# KiCad board PSEC5_Ctrl_Board.kicad_pcb (continued)
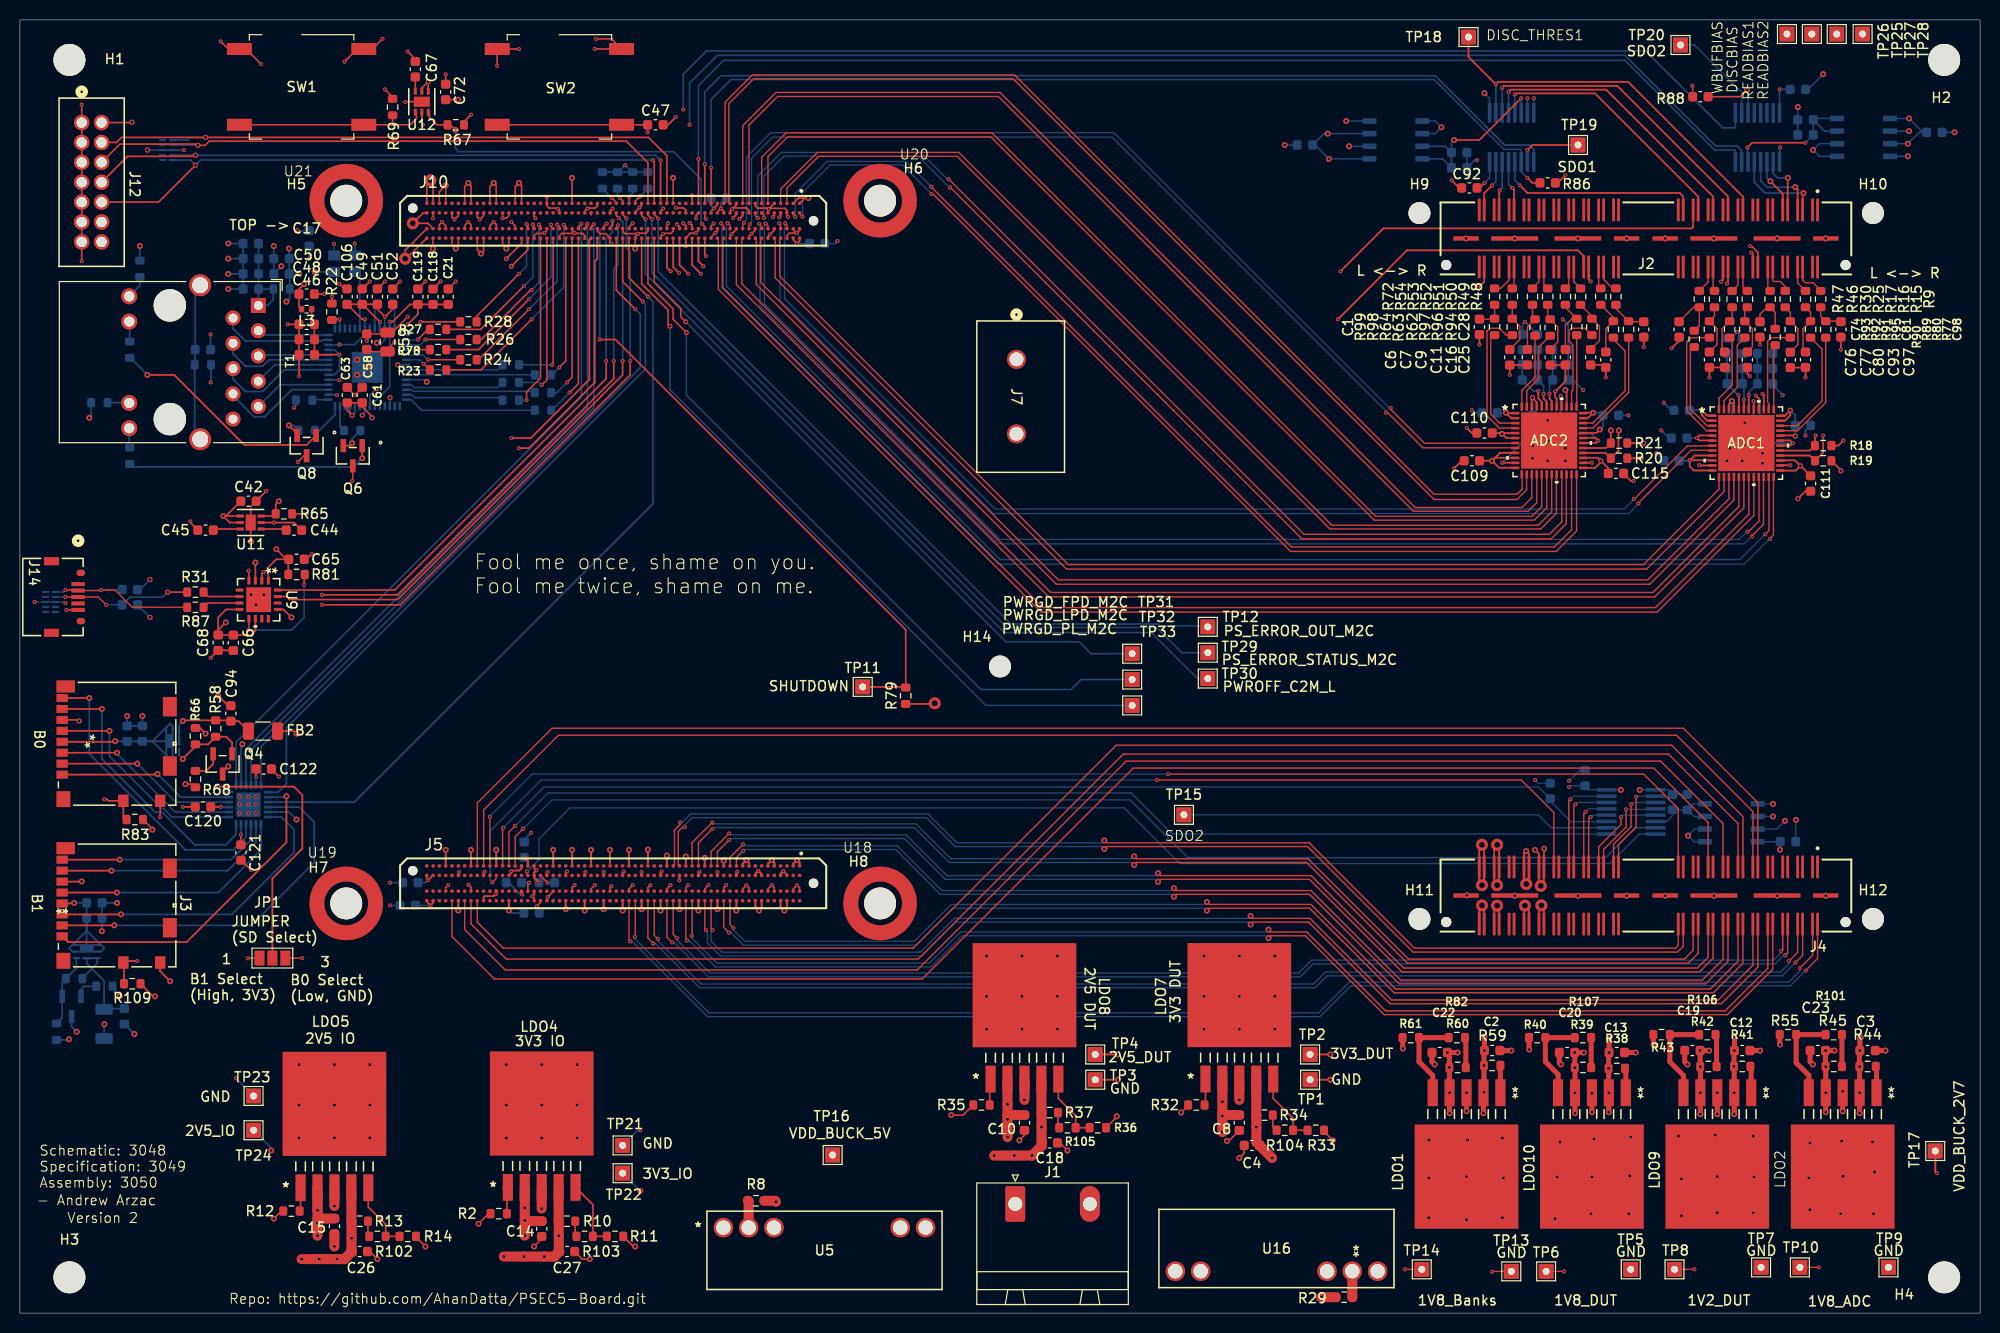
[diagram p0: board, top side]
## Routing (per net, layer and track width the routed paths; a pad name or vN(x,y) marks a point on that pad's centre or on a via; arc(x,y) is an arc through that point) (continued)
/SOM240_2(1.5)/CLR_DAC*_ped: length 118.1
  Top w0.13: J5.A48 48.51,48.73 v1(48.58,48.8)
  Bottom w0.13: v1(48.58,48.8) 52.67,52.9 152.61,52.9 R108.1 153.78,51.49 155.86,49.41 159.43,49.41 U15.11 159.38,49.37
/SOM240_2(1.5)/CS/LD_DAC_ped*: length 122.7
  Top w0.13: v1(50.58,48.7) 49.78,47.9 J5.A46
  Bottom w0.13: v1(50.58,48.7) 53.47,51.6 111.57,51.6 117.38,45.8 159.35,45.8 162.36,48.8 U15.7
/SOM240_2(1.5)/SCK_DAC_ped: length 121.3
  Top w0.13: v1(50.96,44.39) 50.96,44.09 J5.B44
  Bottom w0.13: v1(50.96,44.39) 52.17,45.61 52.17,47.7 55.28,50.8 110.97,50.8 116.57,45.2 159.77,45.2 162.74,48.16 U15.8
/SOM240_2(1.5)/SDI_DAC_ped: length 117
  Top w0.13: v1(49.78,49) 49.14,48.36 J5.A47
  Bottom w0.13: v1(49.78,49) 53.08,52.3 111.68,52.3 115.81,48.16 U15.9
ADC_CNV: length 147.1
  Top w0.13: J4.31 169.65,49.32 164.18,54.8 111.88,54.8 90.68,33.6 47.67,33.6 43.43,37.85 J5.D56
ADC_SCLK: length 146.9
  Top w0.13: J5.D53 45.33,39.14 48.88,35.6 90.28,35.6 110.88,56.2 165.68,56.2 172.65,49.22 J4.23
ADC_SDI: length 146.9
  Top w0.13: J4.21 173.15,49.92 165.97,57.1 110.18,57.1 89.78,36.7 48.58,36.7 45.97,39.31 J5.D52
ADC_SDO: length 146.7
  Top w0.13: J5.D54 44.7,38.58 48.78,34.5 90.18,34.5 111.18,55.5 164.88,55.5 171.15,49.22 J4.27
DAC_SCLK: length 145
  Top w0.13: J4.19 174.15,50.42 166.47,58.1 54.12,58.1 46.6,50.58 J5.A51
DAC_V_IN: length 133.5
  Top w0.13: J4.39 166.65,50.72 163.18,54.2 v1(115.38,54.2) ; v1(47.24,49.9) J5.A50
  Bottom w0.13: v1(115.38,54.2) 51.47,54.2 47.24,49.96 v1(47.24,49.9)
Disc_Thresh1: length 39.8
  Top w0.171: TP18.1 145.57,126.29 v1(148.32,123.54) 148.58,123.79 161.62,123.79 173.15,112.26 J2.21
  Bottom w0.171: v1(148.32,123.54) U2.2
Disc_Thresh2: length 31.2
  Top w0.171: J2.25 171.65,112.26 160.53,123.38 149.15,123.38 v1(148.96,123.19)
  Bottom w0.171: U2.3 v1(148.96,123.19)
Disc_Thresh3: length 28.6
  Top w0.171: J2.29 170.15,112.26 159.4,123.01 149.82,123.01 v1(149.59,122.78)
  Bottom w0.171: v1(149.59,122.78) U2.4
Disc_Thresh4: length 26
  Top w0.171: J2.33 168.65,112.26 158.28,122.63 150.33,122.63 v1(150.23,122.52)
  Bottom w0.171: U2.5 v1(150.23,122.52)
Disc_Thresh5: length 20.8
  Top w0.171: J2.37 167.15,112.26 166.79,112.62 151.5,112.62 v1(150.74,113.38)
  Bottom w0.171: U2.12 150.23,113.89 v1(150.74,113.38)
Disc_Thresh6: length 5.1
  Top w0.171: v1(149.97,113.13) 150.15,112.95 J2.69
  Bottom w0.171: v1(149.97,113.13) 149.59,113.51 U2.13
Disc_Thresh7: length 5
  Top w0.171: J2.73 148.65,112.82 v1(148.7,112.87)
  Bottom w0.171: U2.14 148.96,113.13 v1(148.7,112.87)
Disc_Thresh8: length 5.3
  Top w0.171: J2.77 147.15,112.59 v1(147.94,113.38)
  Bottom w0.171: v1(147.94,113.38) 148.32,113.76 U2.15
DISCBIAS: length 21.5
  Top w0.171: v2(177.66,114.14) 177.65,114.13 J2.09
  In2.Cu w0.171: TP25.1 180.07,125.7 177.66,123.28 v2(177.66,114.14)
  Bottom w0.171: v2(177.66,114.14) 176.64,114.14 176.2,114.58 U4.2
HPB00_CC_N: length 124.8
  Top w0.13: J4.08 178.65,36.27 v1(177.78,35.4) ; J5.D24 63.75,37.99 v1(64.1,37.63)
  Bottom w0.13: v1(177.78,35.4) 177.78,35.13 176.93,34.29 131.2,34.29 130,33.09 68.45,33.09 64.1,37.44 v1(64.1,37.63)
HPB00_CC_P: length 126.4
  Top w0.13: J4.06 179.15,35.97 v1(178.43,35.24) ; J5.D25 63.11,37.7 v1(63.65,37.17)
  Bottom w0.13: v1(178.43,35.24) 177.09,33.91 131.35,33.91 130.15,32.71 68.3,32.71 63.84,37.17 v1(63.65,37.17)
HPB01_N: length 131
  Top w0.13: v1(61.8,37.83) 61.84,37.86 J5.D27 ; v1(178.88,34.7) 180.15,35.97 J4.04
  Bottom w0.13: v1(178.88,34.7) 178.88,34.4 177.76,33.29 133.6,33.29 130.5,30.19 69.25,30.19 61.8,37.64 v1(61.8,37.83)
HPB01_P: length 132.5
  Top w0.13: J4.02 180.65,35.64 v1(179.44,34.43) ; v1(61.35,37.37) 61.21,37.51 J5.D28
  Bottom w0.13: v1(61.35,37.37) 61.54,37.37 69.1,29.81 130.65,29.81 133.75,32.91 177.92,32.91 v1(179.44,34.43)
HPB04_N: length 121.3
  Top w0.13: v1(68.95,38.5) 68.83,38.62 J5.D16 ; v2(123.68,39.07) 123.91,39.31 129.5,39.31 137.7,31.11 170.99,31.11 174.65,34.77 J4.18
  Bottom w0.13: v2(123.68,39.07) 123.44,39.31 94.05,39.31 90.65,35.91 70.4,35.91 69.09,37.22 69.09,38.36 v1(68.95,38.5)
HPB04_P: length 119.9
  Top w0.13: J5.D15 69.46,38.64 v1(69.6,38.5) ; v2(123.68,39.92) 123.91,39.69 129.65,39.69 137.85,31.49 170.66,31.49 174.15,34.97 J4.20
  Bottom w0.13: v2(123.68,39.92) 123.44,39.69 93.9,39.69 90.5,36.29 70.55,36.29 69.47,37.38 69.47,38.36 v1(69.6,38.5)
HPB17_N: length 125.5
  Top w0.13: J4.14 176.15,34.57 171.59,30.01 137.1,30.01 129.16,37.94 125.71,37.94 v2(125.47,37.7) ; v1(67.05,37.47) 66.92,37.59 J5.D19
  Bottom w0.13: v1(67.05,37.47) 67.24,37.47 69.9,34.81 91.55,34.81 94.69,37.94 125.24,37.94 v2(125.47,37.7)
HPB17_P: length 123.9
  Top w0.13: J5.D18 67.56,37.98 v1(67.5,37.93) ; J4.16 175.65,34.67 171.37,30.39 137.25,30.39 129.32,38.32 125.71,38.32 v2(125.47,38.55)
  Bottom w0.13: v2(125.47,38.55) 125.24,38.32 94.53,38.32 91.4,35.19 70.05,35.19 67.5,37.74 v1(67.5,37.93)
HPB_CLK0_N: length 120.2
  Top w0.13: J5.D21 65.65,38.08 v1(66,37.73) ; J4.12 177.15,36.57 v1(176.97,36.4)
  Bottom w0.13: v1(66,37.73) 66,37.54 69.35,34.19 128.5,34.19 129.8,35.49 176.22,35.49 176.97,36.24 v1(176.97,36.4)
HPB_CLK0_P: length 121.8
  Top w0.13: J5.D22 65.02,37.8 v1(65.55,37.27) ; v1(177.4,35.97) 177.65,36.22 J4.10
  Bottom w0.13: v1(65.55,37.27) 65.74,37.27 69.2,33.81 128.65,33.81 129.95,35.11 176.38,35.11 177.24,35.97 v1(177.4,35.97)
HPC00_CC_N: length 112
  Top w0.13: J5.A15 69.46,46.42 71.27,48.22 v1(71.28,48.22) ; v2(114.38,44.22) 114.61,43.99 129.75,43.99 139.04,34.7 168.57,34.7 169.65,35.77 J4.32
  Bottom w0.13: v1(71.28,48.22) 71.41,48.09 89.05,48.09 93.15,43.99 114.14,43.99 v2(114.38,44.22)
HPC00_CC_P: length 111.8
  Top w0.13: J4.30 170.15,35.67 168.78,34.3 138.91,34.3 129.6,43.61 114.61,43.61 v2(114.38,43.37) ; v1(71.28,47.57) 70.1,46.39 J5.A14
  Bottom w0.13: v2(114.38,43.37) 114.14,43.61 93,43.61 88.9,47.71 71.41,47.71 v1(71.28,47.57)
HPC01_N: length 111.4
  Top w0.13: v2(115.97,42.72) 116.21,42.49 129.75,42.49 138.75,33.49 169.06,33.49 171.15,35.57 J4.28 ; v1(72.68,47.12) 72.67,47.12 71.37,45.82 J5.A12
  Bottom w0.13: v1(72.68,47.12) 72.81,46.99 88.15,46.99 92.65,42.49 115.74,42.49 v2(115.97,42.72)
HPC01_P: length 111.3
  Top w0.13: v1(72.68,46.47) 72,45.8 J5.A11 ; v2(115.97,41.87) 116.21,42.11 129.6,42.11 138.6,33.11 169.38,33.11 171.65,35.37 J4.26
  Bottom w0.13: v2(115.97,41.87) 115.74,42.11 92.5,42.11 88,46.61 72.81,46.61 v1(72.68,46.47)
HPC02_N: length 112.7
  Top w0.13: v1(69.57,49.32) 69.57,49.32 67.56,47.31 J5.A18 ; v2(111.97,45.92) 112.21,45.69 129.45,45.69 139.54,35.6 167.28,35.6 168.15,36.47 J4.36
  Bottom w0.13: v1(69.57,49.32) 69.71,49.19 90.05,49.19 93.55,45.69 111.74,45.69 v2(111.97,45.92)
HPC02_P: length 112.6
  Top w0.13: v1(69.57,48.67) 68.19,47.29 J5.A17 ; J4.34 168.65,36.17 167.68,35.2 139.41,35.2 129.3,45.31 112.21,45.31 v2(111.97,45.07)
  Bottom w0.13: v1(69.57,48.67) 69.71,48.81 89.9,48.81 93.4,45.31 111.74,45.31 v2(111.97,45.07)
HPC04_N: length 113.4
  Top w0.13: v1(66.35,49.33) 66.35,49.14 65.78,48.57 65.78,45.09 J5.A21 ; J4.40 166.65,36.97 166.38,36.7 140.14,36.7 129.55,47.29 109.21,47.29 v2(108.97,47.52)
  Bottom w0.13: v2(108.97,47.52) 108.74,47.29 94.15,47.29 91.25,50.19 67.4,50.19 66.54,49.33 v1(66.35,49.33)
HPC04_P: length 113.5
  Top w0.13: v2(108.97,46.67) 109.21,46.91 129.4,46.91 140.01,36.3 166.57,36.3 167.15,36.87 J4.38 ; v1(66.8,48.87) 66.61,48.87 66.16,48.41 66.16,45.09 J5.A20
  Bottom w0.13: v1(66.8,48.87) 66.8,49.06 67.55,49.81 91.1,49.81 94,46.91 108.74,46.91 v2(108.97,46.67)
HPC09_N: length 114.6
  Top w0.13: J4.24 172.65,35.37 169.87,32.59 138.25,32.59 129.75,41.09 119.51,41.09 v2(119.28,41.32) ; J5.D12 71.37,39.07 v1(71.7,38.73)
  Bottom w0.13: v2(119.28,41.32) 119.04,41.09 93.6,41.09 89.91,37.4 72.84,37.4 71.7,38.54 v1(71.7,38.73)
HPC09_P: length 116.3
  Top w0.13: v1(71.25,38.27) 70.73,38.78 J5.D13 ; J4.22 173.15,35.17 170.19,32.21 138.1,32.21 129.6,40.71 119.51,40.71 v2(119.28,40.47)
  Bottom w0.13: v1(71.25,38.27) 71.44,38.27 72.71,37 90.04,37 93.75,40.71 119.04,40.71 v2(119.28,40.47)
OscClkOut: length 122
  Top w0.13: J5.B49 47.87,43.69 v1(47.47,43.3) ; v1(114.28,53.6) 150.88,53.6 154.15,50.32 J4.59
  Bottom w0.13: v1(114.28,53.6) 52.38,53.6 47.28,48.5 47.28,43.5 v1(47.47,43.3)
P5_ReadClk: length 104.1
  Top w0.171: J2.52 157.15,106.28 156.58,106.85 139.38,106.85 v1(132.45,99.92) ; v1(65.14,109.57) 65.02,109.45 J10.C22
  In2.Cu w0.171: v1(132.45,99.92) 69.53,99.92 64.88,104.56 64.88,108.05 65.14,108.3 v1(65.14,109.57)
P5_rst: length 111.7
  Top w0.171: v1(173.99,106.62) 174.15,106.46 J2.20 ; v1(68.69,105.25) 68.19,105.75 J10.D17
  In2.Cu w0.171: v1(68.69,105.25) 70.22,103.73 145.97,103.73 146.48,104.24 171.56,104.24 173.95,106.62 v1(173.99,106.62)
PICO: length 112.4
  Top w0.171: v1(170.95,103.7) 171.15,103.9 J2.28 ; J10.D21 65.65,105.17 v1(66.24,104.58)
  In2.Cu w0.171: v1(66.24,104.58) 69.63,101.19 168.43,101.19 v1(170.95,103.7)
POCI: length 114.4
  Top w0.171: v1(65.39,104.74) 65.02,105.12 J10.D22 ; J2.26 171.65,103.63 v1(171.55,103.52)
  In2.Cu w0.171: v1(65.39,104.74) 69.71,100.43 168.45,100.43 v1(171.55,103.52)
PS_POR: length 79.2
  Top w0.159: v2(26.02,81.63) 25.7,81.31 R65.2 25.48,80.13 24.28,80.13 ; J10.C15 69.46,109.3 v1(69.71,109.54)
  In7.Cu w0.159: v1(31.86,92.3) 26.02,86.46 v2(26.02,81.63) 52.82,81.63 69.41,98.22 69.41,109.25 v1(69.71,109.54)
  Bottom w0.159: U1.16 31.82,92.34 v1(31.86,92.3)
PS_SRST: length 36.6
  Top w0.159: J10.C16 68.83,109.23 v1(68.57,109.49) ; v2(43.77,118.96) 43.25,119.48 R67.2 41.9,119.48 41.15,120.22 41.15,120.71
  Bottom w0.159: v2(43.77,118.96) 43.77,117.1 44.09,116.77 65.68,116.77 68.44,114.01 68.44,109.61 v1(68.57,109.49)
Psec5RefClk: length 105.7
  Top w0.171: J10.D16 68.83,106.38 v1(68.93,106.27) ; v1(132.7,104.74) 137.02,109.06 168.01,109.06 168.15,109.2 J2.35
  In2.Cu w0.171: v1(68.93,106.27) 70.97,104.24 132.19,104.24 v1(132.7,104.74)
Psec5TriggerIn: length 87.2
  Top w0.171: J2.78 147.15,103.7 v1(146.53,103.08) ; J10.D20 66.29,105.37 v1(67.17,104.49)
  In2.Cu w0.171: v1(146.53,103.08) 145.4,101.95 69.71,101.95 v1(67.17,104.49)
Psec5TriggerOut: length 95.8
  Top w0.171: v1(157.85,103.73) 157.65,103.92 J2.50 ; J10.D18 67.56,105.37 v1(68.44,104.49)
  In2.Cu w0.171: v1(157.85,103.73) 146.49,103.73 145.73,102.97 69.96,102.97 v1(68.44,104.49)
READBIAS1: length 25.2
  Top w0.171: J2.07 178.65,112.97 v2(178.42,113.2)
  In2.Cu w0.171: TP27.1 182.57,117.36 v2(178.42,113.2)
  Bottom w0.171: v2(178.42,113.2) 175.55,113.2 174.93,113.82 U4.4
READBIAS2: length 27.6
  Top w0.171: v2(179.24,112.62) 179.15,112.53 J2.05
  In2.Cu w0.171: v2(179.24,112.62) 185.18,118.56 TP28.1
  Bottom w0.171: U4.5 174.29,113.7 175.37,112.62 v2(179.24,112.62)
SIGNAL1+: length 4
  Top w0.128: 180.6,102.77 R9.1 180.96,102.84 180.2,103.6 179.44,103.6 179.15,103.89 J2.06
SIGNAL1-: length 2.7
  Top w0.128: R15.1 178.65,103.56 J2.08
SIGNAL2+: length 3.3
  Top w0.128: J2.14 176.15,103.84 176.26,103.73 176.9,103.73 177.41,103.22 R16.1
SIGNAL2-: length 2.5
  Top w0.128: R17.1 175.65,103.01 J2.16
SIGNAL3+: length 2.6
  Top w0.128: R25.1 173.15,103.22 J2.22
SIGNAL3-: length 2.6
  Top w0.128: R30.1 172.65,103.35 J2.24
SIGNAL4+: length 2.5
  Top w0.128: J2.30 170.15,102.92 R46.1
SIGNAL4-: length 2.8
  Top w0.128: R47.1 169.65,103.66 J2.32
SIGNAL5+: length 2.9
  Top w0.128: R48.1 160.04,103.03 159.15,103.92 J2.46
SIGNAL5-: length 2.2
  Top w0.128: J2.48 158.65,103.24 R49.1
SIGNAL6+: length 2.4
  Top w0.128: J2.54 156.15,103.71 R50.1
SIGNAL6-: length 2.3
  Top w0.128: J2.56 155.65,103.37 R51.1
SIGNAL7+: length 2.3
  Top w0.128: J2.62 153.15,103.41 R52.1
SIGNAL7-: length 2.4
  Top w0.128: J2.64 152.65,103.67 R53.1
SIGNAL8+: length 2.2
  Top w0.128: R54.1 150.15,103.21 J2.70
SIGNAL8-: length 3.1
  Top w0.128: R72.1 148.81,103.03 149.65,103.87 J2.72
SPIclk: length 112.6
  Top w0.171: J10.C20 66.29,109.21 v1(66.03,109.47) ; J2.18 174.65,106.65 174.01,107.28 v1(173.85,107.28)
  In2.Cu w0.171: v1(173.85,107.28) 172.83,106.27 69.62,106.27 67.72,108.17 67.33,108.17 v1(66.03,109.47)
SYNC_N: length 147.7
  Top w0.13: J5.A52 45.97,51.29 53.47,58.8 167.18,58.8 174.65,51.32 J4.17
V_ped1: length 9.8
  Top w0.13: J4.41 160.65,47.09 162.42,48.86 v1(162.42,51.91)
  Bottom w0.13: v1(162.42,51.91) 162.48,51.97 U15.2
V_ped2: length 9.6
  Top w0.13: J4.43 160.15,47.14 161.91,48.9 v1(161.91,51.15)
  Bottom w0.13: v1(161.91,51.15) 162.1,51.34 U15.3
V_ped3: length 9.7
  Top w0.13: J4.45 159.15,46.61 161.4,48.86 v1(161.4,50.64)
  Bottom w0.13: U15.4 164.31,50.64 v1(161.4,50.64)
V_ped4: length 9.5
  Top w0.13: J4.47 158.65,46.87 160.9,49.12 v1(160.9,49.88)
  Bottom w0.13: U15.5 161.09,50.07 v1(160.9,49.88)
V_ped5: length 6.8
  Top w0.13: J4.49 157.65,49.68 v1(157.85,49.88)
  Bottom w0.13: U15.12 158.04,50.07 v1(157.85,49.88)
V_ped6: length 7.8
  Top w0.13: v1(157.34,50.39) 157.15,50.2 J4.51
  Bottom w0.13: U15.13 157.66,50.7 v1(157.34,50.39)
V_ped7: length 9.6
  Top w0.13: v1(156.32,51.15) 156.15,50.98 J4.53
  Bottom w0.13: U15.14 156.51,51.34 v1(156.32,51.15)
V_ped8: length 10.6
  Top w0.13: v1(155.81,51.66) 155.65,51.49 J4.55
  Bottom w0.13: U15.15 156.13,51.97 v1(155.81,51.66)
WBUFBIAS: length 21
  Top w0.171: v2(175.91,113.79) 177.15,112.55 J2.11
  In2.Cu w0.171: v2(175.91,113.79) 175.91,126.94 TP26.1
  Bottom w0.171: v2(175.91,113.79) 175.56,114.14 U4.3
Net-(ADC1-RBIAS): length 4.5
  Top w0.171: v1(174.44,92.25) 174.74,91.95 ADC1.40
  Bottom w0.171: 174.74,89.69 R57.1 174.87,91.83 v1(174.44,92.25)
Net-(ADC1-REFB): length 5.6
  Top w0.171: 173.24,90.89 173.24,91.81 v1(173.25,91.82)
  Bottom w0.171: v1(173.25,91.82) 173.25,93.29 C36.2 C35.2 173.09,94.98 C34.1
Net-(ADC1-REFT): length 6.1
  Top w0.171: v1(172.71,92.3) 172.74,92.26 172.74,90.89
  Bottom w0.171: C33.1 171.55,96.46 171.55,93.44 172.69,92.3 v1(172.71,92.3)
Net-(ADC1-VREF): length 5.9
  Top w0.171: v1(173.74,92.31) 173.74,90.9 173.74,90.89
  Bottom w0.171: v1(173.74,92.31) 173.74,92.58 174.6,93.44 174.6,96.45 174.58,96.47
Net-(ADC2-RBIAS): length 3.3
  Top w0.171: ADC2.40 154.93,92.11 v1(154.83,92.21)
  Bottom w0.171: R56.1 154.8,92.18 v1(154.83,92.21)
Net-(ADC2-REFB): length 6.1
  Top w0.171: v1(153.12,92.42) 153.12,91.95 153.43,91.63 ADC2.43
  Bottom w0.171: v1(153.12,92.42) 153.12,93.23 C40.2 C39.2 152.53,96.84 C38.1
Net-(ADC2-REFT): length 6.8
  Top w0.171: ADC2.44 152.93,91.61 152.59,91.95 v1(152.59,92.71)
  Bottom w0.171: C37.1 150.98,96.84 C39.1 C40.1 152.09,92.71 v1(152.59,92.71)
Net-(ADC2-VREF): length 6
  Top w0.171: ADC2.42 153.93,91.71 153.72,91.92 v1(153.72,92.43)
  Bottom w0.171: v1(153.72,92.43) 153.72,93.5 C78.1 C79.1 C116.1
Net-(C1-Pad1): length 2.9
  Top w0.128: C1.1 148.15,99.93 R99.1 R72.2
Net-(C5-Pad1): length 11.7
  Bottom w0.171: C5.1 8.53,30.61 FB1.1 8.46,33.41 7.22,34.64 ; 7.22,34.64 7.76,35.17 U6.4 7.74,35.68 U6.7 6.72,35.15 7.22,34.64 ; 7.22,34.64 6.27,33.69 R110.1
Net-(C6-Pad1): length 5.2
  Top w0.128: R54.2 R98.1 150.73,99.22 150.73,97.88 C6.1
Net-(C7-Pad1): length 4.9
  Top w0.128: C7.1 151.5,99.16 R64.1 152,100.17 R53.2
Net-(C9-Pad1): length 5.2
  Top w0.128: R52.2 153.53,100.17 R63.1 154.54,99.16 154.54,97.63 C9.1
Net-(C11-Pad1): length 5.9
  Top w0.128: 155.2,96.99 C11.1 155.31,99.31 155.97,99.98 R62.1 155.31,101.12 R51.2
Net-(C16-Pad1): length 5.7
  Top w0.128: R50.2 157.97,100.24 R97.1 158.73,99.22 158.73,97.77 C16.1
Net-(C25-Pad1): length 5.6
  Top w0.128: C25.1 159.37,98.96 R96.1 160.13,100.11 R49.2
Net-(C28-Pad1): length 3.7
  Top w0.128: R48.2 160.39,101 R94.1 161.71,99.68 C28.1
Net-(C74-Pad1): length 5.2
  Top w0.128: C74.1 168.19,101.12 R47.2 168.77,99.28 R93.1
Net-(C76-Pad1): length 5.3
  Top w0.128: C76.1 170.55,97.39 170.55,98.96 R92.1 170.29,100.23 R46.2
Net-(C77-Pad1): length 5
  Top w0.128: C77.1 171.06,96.88 171.06,98.96 R91.1 172.07,99.98 R30.2
Net-(C80-Pad1): length 5.1
  Top w0.128: C80.1 174.1,97.13 174.1,98.97 R95.1 173.34,100.87 R25.2
Net-(C81-Pad1): length 4.4
  Top w0.128: R90.1 176.39,100.62 R17.2 175.56,101.12 174.87,100.43 C81.1
Net-(C93-Pad1): length 5.3
  Top w0.128: R16.2 177.91,100.62 R89.1 178.67,98.97 178.67,97.38 C93.1
Net-(C94-Pad1): length 9.3
  Top w0.171: FB2.1 21.97,59.52 C94.1 21.12,59.59 16.43,59.59 v2(16.37,59.53) 16.38,59.52
  Bottom w0.171: v2(16.37,59.53) 16,59.16 U14.4 16.02,58.53 U14.7
Net-(C97-Pad1): length 5.1
  Top w0.128: C97.1 179.18,96.88 179.18,98.97 R80.1 179.94,100.62 R15.2
Net-(C98-Pad1): length 3.2
  Top w0.128: C98.1 182.94,99.73 R77.1 180.96,100.23 R9.2
Net-(J10A-PS_ERROR_OUT_M2C): length 76.1
  Top w0.159: J10.B24 63.75,110.45 v1(64.15,110.05)
  Bottom w0.15: 64.15,104.72 99.58,69.28 114.37,69.28 114.55,69.1 119.28,69.1 TP12.1
  Bottom w0.159: v1(64.15,110.05) 64.15,104.72
Net-(J10A-PS_ERROR_STATUS_M2C): length 77.9
  Top w0.159: v1(63.51,110) 63.11,110.4 J10.B25
  Bottom w0.15: TP29.1 116.76,66.4 114.22,68.93 99.19,68.93 63.87,104.24
  Bottom w0.159: v1(63.51,110) 63.51,104.6 63.87,104.24
Net-(J10A-PWROFF_C2M_L): length 79.7
  Top w0.159: J10.B26 62.48,110.36 v1(62.87,109.97)
  Bottom w0.15: TP30.1 118.34,63.8 113.72,68.42 98.92,68.42 63.52,103.82
  Bottom w0.159: v1(62.87,109.97) 62.87,104.47 63.52,103.82
Net-(J10B-MIO52): length 18.5
  Top w0.15: J10.D36 56.13,93.45 v1(55.23,92.55)
  Bottom w0.15: v1(55.23,92.55) 53.45,90.77 R1.1
Net-(J10B-MIO53): length 16.7
  Top w0.15: J10.D37 55.49,94.08 v1(54.98,93.57)
  Bottom w0.15: v1(54.98,93.57) 53.96,92.55 R3.1
Net-(J10B-MIO54): length 14.4
  Top w0.15: v1(54.22,95.09) 54.86,95.73 J10.D38
  Bottom w0.15: R4.1 53.45,94.33 v1(54.22,95.09)
Net-(J10B-MIO64): length 16.1
  Top w0.15: J10.D40 53.59,95.48 v1(53.45,95.35)
  Bottom w0.15: R5.1 v1(53.45,95.35)
Net-(J10B-MIO65): length 17.4
  Top w0.15: v1(52.44,93.31) 52.95,93.83 J10.D41
  Bottom w0.15: v1(52.44,93.31) 52.18,93.57 R6.1
Net-(J10B-MIO66): length 17.6
  Top w0.15: v1(50.91,91.79) 50.91,92.6 52.32,94.01 J10.D42
  Bottom w0.15: R7.1 v1(50.91,91.79)
Net-(J10B-PWRGD_FPD_M2C): length 68.4
  Top w0.15: v5(66.91,99.66) 66.41,100.17 66.41,101.02 63.75,103.68 J10.D24
  Bottom w0.15: TP31.1 107.65,66.3 106.45,67.5 99.08,67.5 v5(66.91,99.66)
Net-(J10B-PWRGD_LPD_M2C): length 74.9
  Top w0.15: J10.D25 63.11,103.51 65.65,100.98 65.65,99.92 v5(66.98,98.58)
  Bottom w0.15: v5(66.98,98.58) 66.98,92.29 96.57,62.7 105.64,62.7 106.64,63.7 TP32.1
Net-(J10B-PWRGD_PL_M2C): length 76
  Top w0.15: J10.D26 62.48,103.5 65.14,100.84 65.14,99.41 v5(65.33,99.22)
  Bottom w0.15: v5(65.33,99.22) 65.33,92.84 97.07,61.1 TP33.1
Net-(JP1-C): length 27.7
  Top w0.171: v1(19.92,52.93) 27.55,52.93 28.39,52.09 28.39,46.71 25.38,43.7 JP1.2
  Bottom w0.171: v1(19.92,52.93) 20.48,52.37 U17.24
Net-(LDO1-ADJ): length 9.1
  Top w0.5: R82.2 R61.1 140.6,25.27 141.97,23.9 LDO1.5
Net-(LDO1-EN): length 2.7
  Top w0.5: R59.2 148.78,22.16 LDO1.1
Net-(LDO2-ADJ): length 9.3
  Top w0.5: R101.2 R55.1 178.5,25.17 179.77,23.9 LDO2.5
Net-(LDO2-EN): length 2.7
  Top w0.5: R44.2 186.58,24.72 LDO2.1
Net-(LDO4-ADJ): length 7
  Top w0.159: R11.1 R103.2 57.58,10.9 LDO4.5
Net-(LDO4-EN): length 2.7
  Top w0.159: LDO4.1 48.94,12.55 R2.2
  Top w1: 49.01,12.62 LDO4.1
Net-(LDO5-ADJ): length 7
  Top w0.159: LDO5.5 35.01,10.66 36.75,8.92 36.75,7.72 38.15,7.72
Net-(LDO5-EN): length 2.4
  Top w0.159: LDO5.1 28.21,10.34 R12.2
Net-(LDO7-ADJ): length 7.4
  Top w0.159: LDO7.5 125.94,21.58 127.94,19.59 R104.2 R33.1
Net-(LDO7-EN): length 2.7
  Top w0.159: LDO7.1 119.14,21.01 R32.2
Net-(LDO8-ADJ): length 7
  Top w0.159: 107.49,18.64 R105.2 106.09,19.84 104.35,21.58 LDO8.5
Net-(LDO8-EN): length 2.6
  Top w0.159: R35.2 97.46,23.44 LDO8.1
Net-(LDO9-ADJ): length 9.4
  Top w0.5: R106.2 R43.1 165.8,25.27 167.17,23.9 LDO9.5
Net-(LDO9-EN): length 2.7
  Top w0.5: R41.2 173.98,24.72 LDO9.1
Net-(LDO10-ADJ): length 9
  Top w0.5: R107.2 R40.1 153.3,25.27 154.57,24 LDO10.5
Net-(LDO10-EN): length 2.5
  Top w0.5: LDO10.1 161.38,24.52 R38.2
Net-(Q1-D): length 7.4
  Bottom w0.171: U6.3 5.68,34.68 R110.2 4.24,33.24 Q1.1 4.24,29.69 R111.1
Net-(Q1-G): length 2.4
  Bottom w0.171: R85.2 6.46,32.86 6.14,32.54 Q1.2
Net-(Q4-D): length 8.3
  Top w0.171: Q4.1 21.32,57.37 20.75,57.94 R58.2 18.91,57.18 R66.1 17.64,56.99 v2(16.37,55.72)
  Bottom w0.171: U14.3 16,56.09 v2(16.37,55.72)
Net-(Q4-G): length 3.1
  Top w0.171: R68.2 18.72,54.51 19.42,55.22 Q4.2
Net-(Q6-D): length 25.1
  Top w0.171: Q6.1 34.4,85.95 v2(34.4,85.95)
  Bottom w0.171: v2(34.4,85.95) 33.54,85.08 11.33,85.08 11.03,85.38
Net-(Q6-G): length 2.6
  Top w0.171: v2(33.39,87.47) 33.13,87.22 Q6.2
  Bottom w0.171: R113.2 33.39,87.92 v2(33.39,87.47)
Net-(Q8-D): length 22.7
  Top w0.171: Q8.1 28.82,87.29 22.55,87.29 15.51,94.33 v2(12.81,94.33)
  Bottom w0.171: R114.2 11.1,96.04 v2(12.81,94.33)
Net-(Q8-G): length 2.5
  Top w0.171: v2(27.04,89.25) 27.86,88.42 Q8.2
  Bottom w0.171: v2(27.04,89.25) 27.48,89.25 R112.2
Net-(R10-Pad2): length 1.6
  Top w0.159: R10.2 55.8,7.84 55.93,7.72
Net-(R60-Pad2): length 3
  Top w0.5: R60.2 145.3,27.62 R82.1
Net-(R74-Pad1): length 2.4
  Bottom w0.171: T1.11 12.05,103.29 R74.1
Net-(R76-Pad1): length 2.2
  Bottom w0.171: R76.1 10.96,91.54 T1.13
Net-(R101-Pad1): length 3.2
  Top w0.5: R45.2 R101.1
Net-(R102-Pad1): length 1.6
  Top w0.159: R13.2 34.97,7.84 R102.1
Net-(R104-Pad1): length 1.7
  Top w0.159: R104.1 125.91,18.77 125.91,19.91
Net-(R105-Pad1): length 1.6
  Top w0.159: 104.44,18.64 104.32,18.77 R37.2
Net-(R106-Pad1): length 3.2
  Top w0.5: R42.2 170.5,27.9 R106.1
Net-(R107-Pad1): length 3
  Top w0.5: R39.2 R107.1
Net-(R114-Pad1): length 2
  Bottom w0.171: R114.1 11.03,99.64 T1.12
Net-(R115-Pad1): length 2
  Bottom w0.171: R115.1 10.99,87.07 T1.14
Net-(T1-SHIELD1): length 16
  Bottom w0.171: T1.S1 17.61,102.84 C57.1 17.61,95.4 R100.1 17.56,88.41 T1.S2
Net-(U1-CONFIG): length 1.6
  Bottom w0.159: U1.15 29.44,91.84 R84.2
Net-(U1-REGCAP1): length 2.6
  Bottom w0.159: 35.91,101.44 35.66,101.19 U1.37
Net-(U1-REGCAP2): length 2.5
  Bottom w0.159: C155.1 37.66,101.24 U1.41
Net-(U1-RSET): length 1.7
  Top w0.159: v1(32.12,99.92) 31.42,99.92 R22.1
  Bottom w0.159: U1.30 32.16,99.87 v1(32.12,99.92)
Net-(U1-RX_CLK): length 2.4
  Top w0.15: v1(39.99,96.87) 41.2,96.87 R78.1
  Bottom w0.15: v1(39.99,96.87) 39.97,96.84 U1.46
Net-(U1-RX_CTRL): length 6
  Top w0.15: v1(40.25,99.66) R28.1
  Bottom w0.15: U1.43 38.92,98.34 v1(40.25,99.66)
Net-(U1-RXD[0]): length 2.8
  Top w0.15: R27.1 41.01,98.9 v1(39.99,97.89)
  Bottom w0.15: U1.44 39.95,97.84 v1(39.99,97.89)
Net-(U1-RXD[1]): length 5.7
  Top w0.15: v1(40.75,97.89) R26.1
  Bottom w0.15: v1(40.75,97.89) 40.21,97.34 U1.45
Net-(U1-RXD[2]): length 5.6
  Top w0.15: v1(41.01,95.85) R24.1
  Bottom w0.15: U1.47 40.52,96.34 v1(41.01,95.85)
Net-(U1-RXD[3]): length 2.8
  Top w0.15: v1(40.59,95.43) 40.61,95.43 R23.1
  Bottom w0.15: v1(40.59,95.43) 40.17,95.84 U1.48
Net-(U2-REF): length 19.3
  Top w0.159: v1(150.86,122.14) 146.67,117.95 v2(144.13,117.95)
  Bottom w0.159: C90.1 C30.1 142.97,116.05 U7.8 ; C90.1 143.23,117.32 U7.7 ; C90.1 143.86,117.68 v2(144.13,117.95) ; U2.6 v1(150.86,122.14)
Net-(U2-SDO): length 6.5
  Top w0.171: v1(151.5,116.94) 152,117.44 TP19.1
  Bottom w0.159: U2.10 v1(151.5,116.94)
Net-(U4-REF): length 15.5
  Top w0.159: v1(179.42,117.66) 179.41,117.67 174.07,117.67 v1(173.59,117.19)
  Bottom w0.15: U8.8 180.34,120.11 180.21,119.98 180.21,118.46 v1(179.42,117.66)
  Bottom w0.159: v1(173.59,117.19) 173.66,117.13 U4.6 ; 180.21,119.98 181.35,118.84 U8.7
Net-(U4-SDO): length 10.2
  Bottom w0.13: TP20.1 168.27,127.5 173.02,122.75 U4.10 173.01,120.68
Net-(U5-TRIM): length 2.7
  Top w1: U5.2 73.24,11.21 R8.2
Net-(U9-USBDM): length 3.8
  Top w0.159: R87.1 18.9,71.4 U9.7
Net-(U9-USBDP): length 3.8
  Top w0.159: R31.1 18.9,72.05 U9.6
Net-(U10-CH1): length 16.2
  Top w0.13: R87.2 11.29,70.96 9.55,72.7 v1(8.17,72.7) 8.12,72.65 J14.2 5.8,72.7 v1(4.58,72.7)
  Bottom w0.13: v1(8.17,72.7) 8.22,72.74 C107.1 ; v1(4.58,72.7) 4.38,72.5 U10.1
Net-(U10-CH2): length 14.5
  Top w0.13: v1(8.67,71.2) 7.88,72 J14.3 v1(4.58,72)
  Top w0.159: v3(14.84,72.49) R31.2
  Bottom w0.13: C69.1 8.69,71.22 v1(8.67,71.2) ; U10.2 v1(4.58,72)
  Bottom w0.159: v3(14.84,72.49) 14.34,71.98 11.03,71.98 C69.1 10.02,71.47
Net-(U11-*MR): length 2.5
  Top w0.159: C44.1 26.66,78.83 24.28,78.83
Net-(U11-CT): length 2.8
  Top w0.159: C45.1 19.54,78.83 22.18,78.83
Net-(U12-*MR): length 19.6
  Top w0.159: 39.85,120.71 39.85,120.1 39.23,119.48 37.45,119.48 ; 37.45,119.48 R69.2 ; 37.45,119.48 SW1.3 SW1.4
Net-(U12-CT): length 1.6
  Top w0.159: U12.3 C67.1 39.85,124.18
Net-(U13-FEEDBACK): length 8
  Bottom w0.13: C103.1 C104.1 166.07,50.01 165.5,49.43 U15.6 ; C103.1 168.18,51.2 U13.8 ; C103.1 168.24,49.93 U13.7
Net-(U15-SDO): length 43
  Bottom w0.13: TP15.1 152.58,50.1 153.88,48.8 U15.10
Net-(U16-TRIM): length 2.6
  Top w1: U16.2 133.9,1.6 R29.2
unconnected-(J10A-MIO40-PadB34): length 0.2
  Top w0.159: J10.B34 57.4,110.43
unconnected-(J10A-MIO58-PadB40): length 0
unconnected-(J10A-MIO71-PadB45): length 0.1
  Top w0.15: 50.41,110.56 J10.B45
unconnected-(U1-LED[2]/INTn-Pad12): length 0.1
  Bottom w0.15: 32.72,91.13 U1.12

## Copper pours and planes (outline as drawn; the poured copper is in the pictures)
1V2_DUT on In4.Cu: 136.51,-1.17 136.51,48.61 198.23,48.61 198.23,-1.17
1V8_ADC on In3.Cu: 115.68,130.65 197.98,130.65 197.98,52.42 197.98,-0.8 166.57,-0.9 166.78,52.42 115.68,52.67
1V8_Banks on In5.Cu: 197.98,-0.92 -1.16,-0.92 -1.16,131.41 198.08,131.41 197.99,51.91 197.98,51.91 95.11,51.91 95.11,12.8 116.7,12.8 116.7,34.39 187.31,34.39 187.31,51.91 197.98,51.91
1V8_DUT on In3.Cu: 137.78,52.67 138.08,52.67 166.78,52.42 166.57,-0.9 138.08,-0.92
2V5_DUT on In5.Cu: 95.11,12.8 95.11,51.66 95.36,51.91 187.31,51.91 187.31,34.64 187.06,34.39 116.7,34.39 116.7,12.8
2V5_IO on In6.Cu: 134.45,-0.92 134.45,14 127.68,14 95.11,13.81 95.11,48.61 198.88,48.6 198.7,76.3 198.74,76.3 198.74,131.16 -0.9,131.16 -0.9,-0.92
3V3_DUT on In6.Cu: 95.36,13.81 95.11,48.61 198.88,48.6 198.74,29.9 135.75,29.9 135.75,14
3V3_IO on In4.Cu: 136.51,-1.17 -0.9,-1.17 -0.9,130.91 198.23,130.91 198.23,48.61 136.51,48.61
/SOM240_1(1.5)/ethernet1/AVDD18 on In6.Cu: 41.77,101.7 41.77,89.25 29.32,89.25 29.32,101.7
/SOM240_1(1.5)/ethernet1/DVDD on In5.Cu: 29.32,101.7 41.77,101.7 41.77,89.25 29.32,89.25
GND on In1.Cu: -2.62,132.4 198.27,131.4 197.88,-1.2 -2.23,-1.9
GND on In8.Cu: -1.73,131.3 198.68,131.9 198.88,-1.4 -2.33,-1
VDD_BUCK_2V7 on In6.Cu: 134.45,-0.92 134.45,14 135.75,14 135.75,29.9 183.5,29.8 198.74,29.9 198.74,-0.92
VDD_BUCK_5V on In3.Cu: 84.97,-0.9 -0.9,-1.17 -0.9,130.65 115.68,130.65 115.68,52.67 137.78,52.67 138.03,52.42 138.03,16.86 84.97,16.86
/power2/power on In3.Cu: 84.97,16.86 138.03,16.86 138.08,16.81 138.08,-0.92 84.97,-0.9

## Text on the board
F.Fab: F.Silkscreen | F.Paste | F.Mask | F.Cu | Dielectric | In1.Cu | In2.Cu | In3.Cu | In4.Cu | In5.Cu | In6.Cu | In7.Cu | In8.Cu | B.Cu | B.Mask | B.Paste | B.Silkscreen | Top Silk Screen | Top Solder Paste | Top Solder Mask | copper | prepreg | core | Bottom Solder Mask | Bottom Solder Paste | Bottom Silk Screen | Not specified | FR4 | 0 mm | 0.01 mm | 0.0175 mm | 0.0925 mm | 0.035 mm | 0.13 mm | 0.196 mm | 1 | 3.3 | 4.5 | 0 | 0.02 | Layer Name | Type | Material | Thickness (mm) | Color | Epsilon R | Loss Tangent
F.Silkscreen: - Andrew Arzac | Schematic: 3048 / Specification: 3049 / Assembly: 3050 | Version 2 | Repo: https://github.com/AhanDatta/PSEC5-Board.git | SDO2 | DISC_THRES1 | WBUFBIAS | DISCBIAS | READBIAS1 | READBIAS2 | LDO2 | 2V5_IO | B1 Select / (High, 3V3) | GND | TOP -> | JUMPER / (SD Select) | B0 Select / (Low, GND) | 2V5 IO | 3V3 IO | 3V3_IO | SHUTDOWN | VDD_BUCK_5V | PWRGD_PL_M2C | PWRGD_FPD_M2C | PWRGD_LPD_M2C | 2V5_DUT | PS_ERROR_STATUS_M2C | PWROFF_C2M_L | PS_ERROR_OUT_M2C | 3V3_DUT | L <-> R | 1V8_Banks | 1V8_DUT | SDO1 | 1V2_DUT | 1V8_ADC | 3V3 DUT | VDD_BUCK_2V7 | B1 | B0 | 2V5 DUT | Fool me once, shame on you. / Fool me twice, shame on me.
